# Allegro board RK3576_TEMPLATE_LP4XD200P132SD6_24X34_2133MHz_H1R6_V11_20240529YWQ.brd (continued)
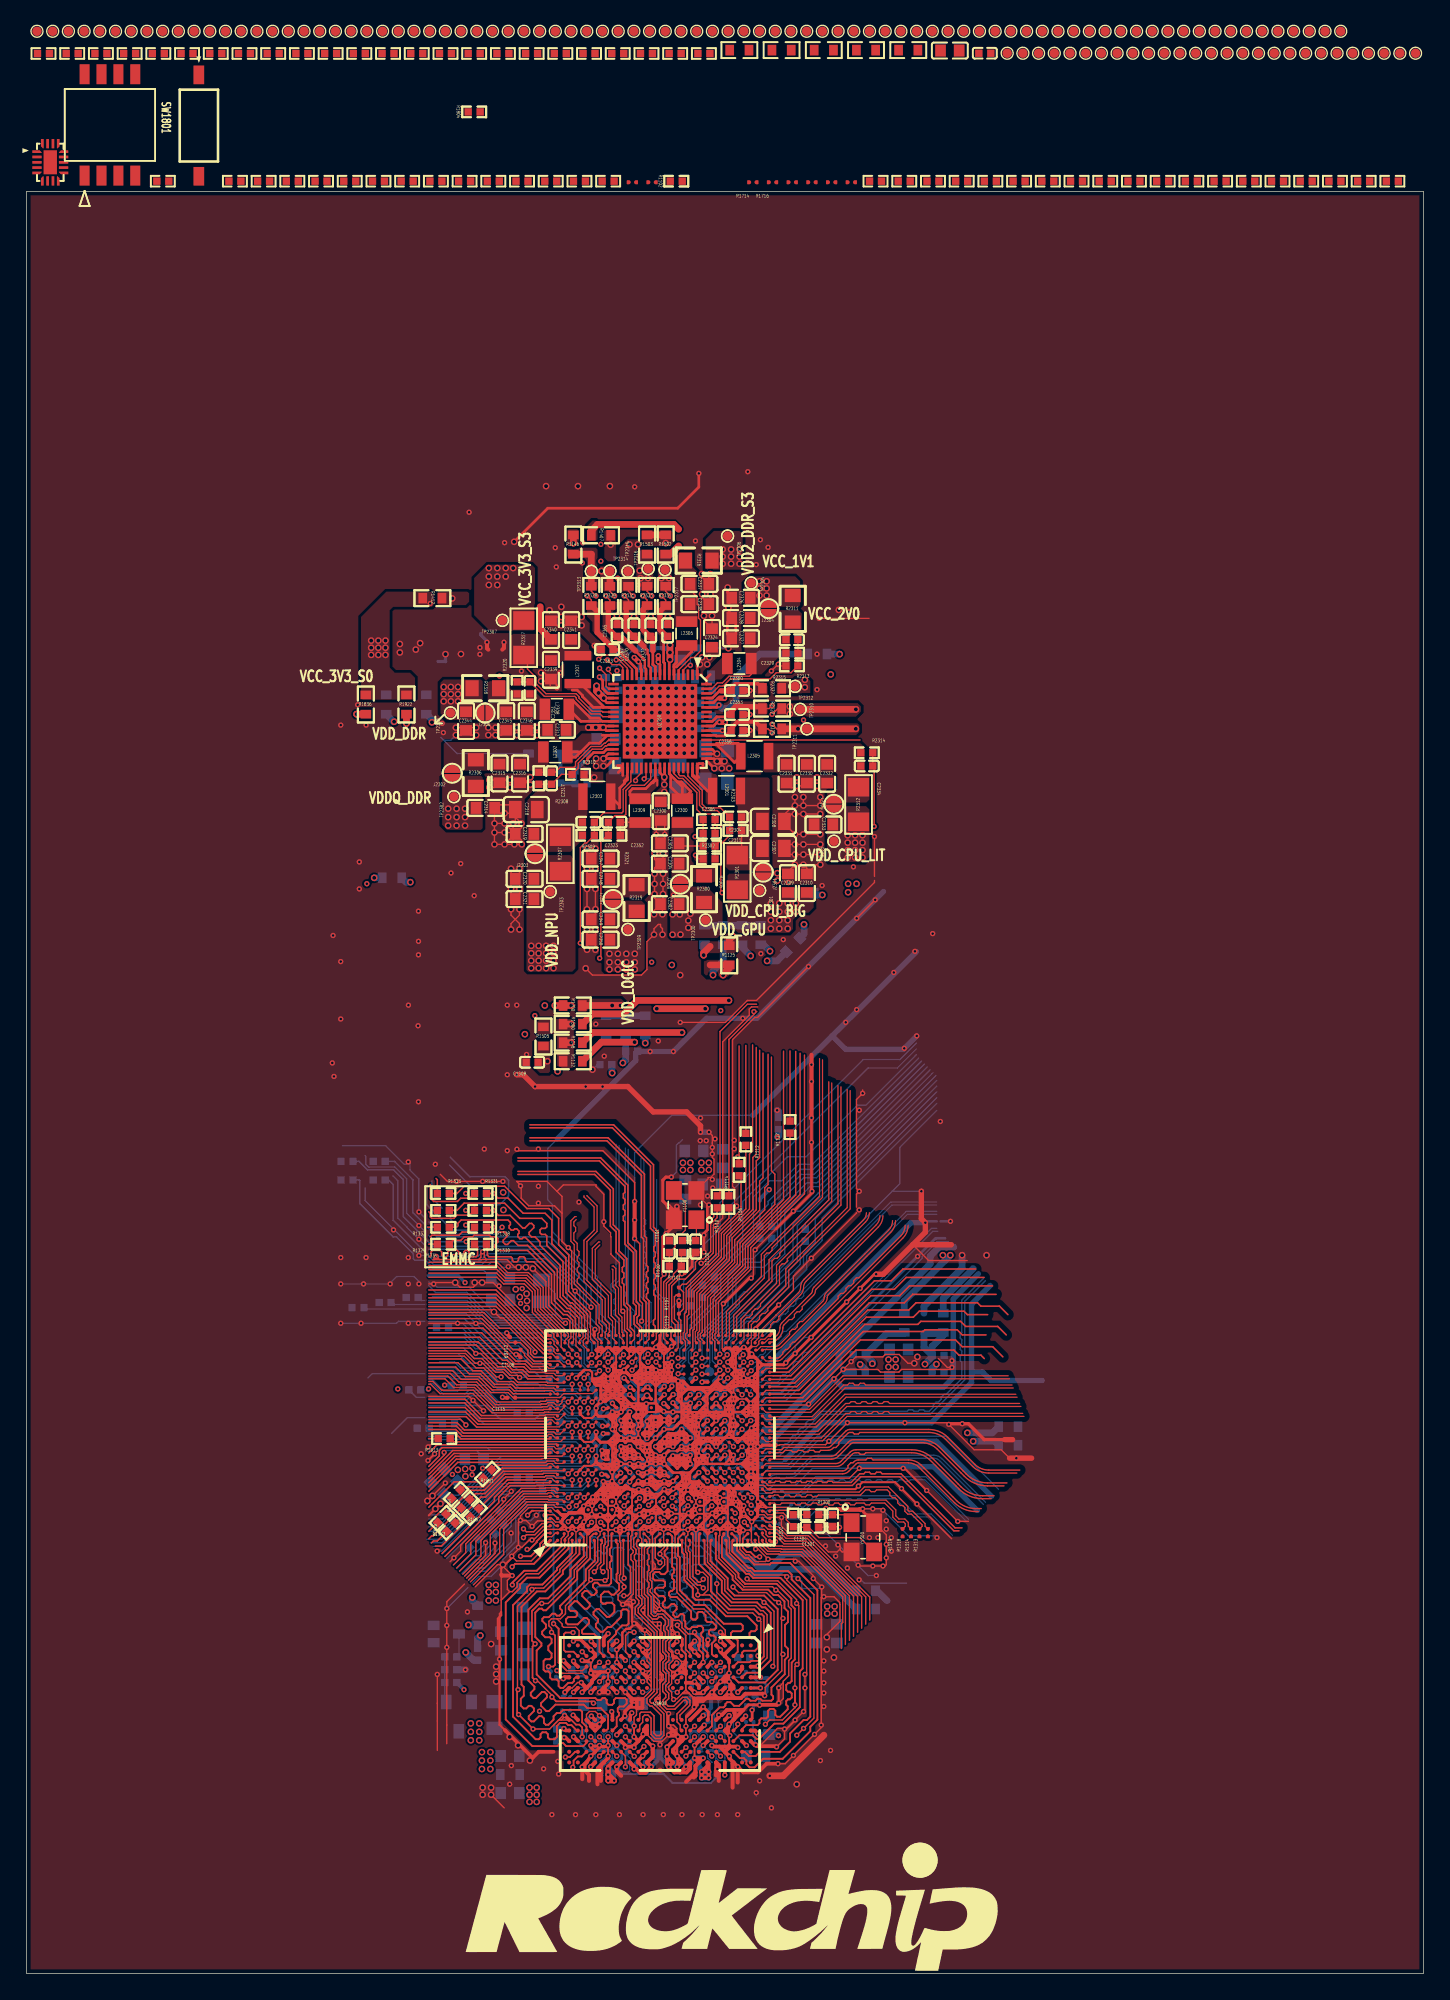
[diagram p0: board, top side]
## Routing (per net, layer and track width the routed paths; a pad name or vN(x,y) marks a point on that pad's centre or on a via; arc(x,y) is an arc through that point) (continued)
GPIO1_A7: length 13.3
  TOP w0.089: 40.85,48.3 40.93,48.22 40.93,47.77 40.76,47.6 40.76,47.13 U1000.1B24
  TOP w0.102: 40.85,48.3 40.85,49.03 40.66,49.22 40.26,49.22
  TOP w0.114: R1335.1 34.65,54.76 34.65,53.99 34.76,53.88 36.41,53.88 36.53,53.77 36.53,53.61 36.64,53.5 36.87,53.5 36.98,53.61 36.98,53.77 37.1,53.88 37.38,53.88 37.5,53.76 37.5,53.62 37.61,53.5 38.14,53.5 39.26,52.38 39.26,50.23 40.26,49.22
GPIO1_B0: length 28.8
  TOP w0.114: v1(43.73,45.36) U1000.1F22
  BOTTOM w0.114: R1336.1 27.67,61.05 29.05,59.67 29.05,57.19 30.87,55.37 39.41,55.37 42.93,51.85 42.93,49.28 43.94,48.26 43.94,46.99 44.15,46.78 44.15,45.79 v1(43.73,45.36)
GPIO1_B2: length 29.3
  TOP w0.114: U1000.1F23 v1(43.73,46.56)
  BOTTOM w0.114: R1338.1 25,61.05 25.63,60.41 27.6,60.41 28.32,59.69 28.32,56.9 30.56,54.65 39.2,54.65 42.08,51.77 42.08,49.58 43.69,47.97 43.69,46.6 v1(43.73,46.56)
GPIO1_C1_D: length 1.2
  TOP w0.114: U1000.1B22 v1(40.72,45.96)
  BOTTOM w0.114: v1(40.72,45.96) 40.38,45.96 R1813.1
GPIO1_C2_U: length 12.6
  TOP w0.102: 30.24,52.65 35.35,52.65 35.92,52.08 37.48,52.08 38.23,51.32 38.23,49.8 39.02,49.02 39.02,49.02 39.92,48.12 U1000.B29
GPIO1_C3_U: length 15.7
  TOP w0.102: U1000.1C23 v1(41.37,46.51)
  BOTTOM w0.102: v1(41.37,46.51) 41.37,46.58 39.25,48.71 34.73,48.71 33.15,50.29 30.24,50.29 ; R1815.1 27.56,50.29 29.94,50.29
GPIO1_C4_D: length 17.1
  TOP w0.102: U1000.1B23 v1(40.72,46.56)
  BOTTOM w0.102: v1(40.72,46.56) 39.5,47.79 39.5,48.14 39.14,48.5 34.65,48.5 33.19,49.96 30.24,49.96 ; R1816.1 25.47,49.96 29.94,49.96
GPIO1_C5_D: length 12.9
  TOP w0.102: 30.24,52.34 35.36,52.34 35.87,51.84 37.43,51.84 38.03,51.24 38.03,49.69 39.65,48.07 39.65,47.83 39.92,47.55 U1000.B28
GPIO1_C6_D: length 10.7
  TOP w0.102: U1000.A26 38.17,46.31 37.9,46.58 37.9,46.94 36.34,48.5 35.57,48.5 34.39,49.69 30.24,49.69
GPIO1_C7_D: length 11.4
  TOP w0.102: U1000.1C22 v1(41.37,45.91)
  BOTTOM w0.102: R1819.1 31.77,48.51 32.77,48.51 33.9,47.38 37.07,47.38 38.08,46.36 38.73,46.36 39.48,45.61 41.06,45.61 v1(41.37,45.91)
GPIO1_D0_D: length 13.4
  TOP w0.102: U1000.C29 40.41,48.02 40.41,48.2 39.88,48.73 39.88,48.73 38.64,49.97 38.64,51.49 37.65,52.48 36.08,52.48 35.36,53.21 30.24,53.21
GPIO1_D1_D: length 15.6
  TOP w0.102: v1(42.48,45.91) 42.48,45.91 U1000.1D22
  BOTTOM w0.102: 30.24,51.71 30.75,51.2 33.1,51.2 34.98,49.32 39.59,49.32 40.52,48.39 40.89,48.39 42.13,47.15 42.13,46.08 42.3,45.91 v1(42.48,45.91)
GPIO1_D2_D: length 14.2
  TOP w0.102: U1000.1A24 40.2,47.08 40.2,48.12 38.44,49.89 38.44,51.41 37.56,52.28 36,52.28 35.35,52.93 30.24,52.93
GPIO1_D3_D: length 14.4
  TOP w0.089: 40.64,48.26 40.64,48.17 40.74,48.07 40.74,47.85 40.48,47.58 U1000.C28
  TOP w0.102: 30.24,53.47 35.39,53.47 36.17,52.69 37.73,52.69 38.84,51.57 38.84,50.06 40.64,48.26
GPIO1_D4_D: length 16.6
  TOP w0.102: U1000.1E21 v1(43.08,45.31)
  BOTTOM w0.102: R1823.1 29.67,50.59 29.94,50.59 ; v1(43.08,45.31) 42.19,45.31 41.73,45.78 41.73,46.77 41.25,47.24 41.03,47.24 39.36,48.91 34.82,48.91 33.13,50.59 30.24,50.59
GPIO1_D5_D: length 15.9
  TOP w0.102: v1(43.08,45.91) 43.08,45.91 U1000.1E22
  BOTTOM w0.102: 30.51,50.9 33.12,50.9 34.9,49.11 39.48,49.11 40.71,47.88 41.02,47.88 41.93,46.97 41.93,45.86 42.21,45.58 42.75,45.58 43.08,45.91 v1(43.08,45.91)
GPIO2_B0_D: length 10.8
  TOP w0.089: U1000.B19 39.75,42.46 39.49,42.73 39.26,42.73 39.14,42.6
  TOP w0.102: 39.14,42.6 38.79,42.6 38.74,42.56 35.17,42.56 33.67,44.05 32.11,44.05 31.46,44.7 30.24,44.7
GPIO2_B1_D: length 11.5
  TOP w0.089: U1000.1A18 40.26,43.09 40.26,42.93 40.06,42.73 39.82,42.73 39.63,42.92 39.18,42.92 39.07,42.81
  TOP w0.102: 39.07,42.81 38.71,42.81 38.66,42.76 35.26,42.76 33.76,44.26 32.33,44.26 31.67,44.91 30.24,44.91
GPIO2_C3_D: length 7.4
  TOP w0.114: 32.21,40.65 32.66,40.19 39.31,40.19 U1000.A15
GPIO2_C4_D: length 8.8
  TOP w0.089: 38.81,39.97 38.83,39.99 40.16,39.99 U1000.1A13
  TOP w0.114: R1913.1 32.09,39.97 38.81,39.97
GPIO2_C5_D: length 1.8
  TOP w0.102: U1000.1C15 v1(41.33,41.16)
  BOTTOM w0.114: R1914.1 40.17,41.52 40.97,41.52 v1(41.33,41.16)
GPIO2_C6_D: length 10.6
  TOP w0.089: U1000.1A14 40.11,40.54 39.81,40.54 39.64,40.72 39.16,40.72 39.07,40.62
  TOP w0.114: 30.24,41.15 32.32,41.15 32.84,40.62 39.07,40.62
GPIO2_C7_D: length 10
  TOP w0.089: U1000.B15 39.75,40.26 39.49,40.53 39.25,40.53 39.14,40.41
  TOP w0.114: 39.14,40.41 32.75,40.41 32.26,40.89 30.24,40.89
GPIO2_D0_D: length 10
  TOP w0.089: 38.96,40.86 39.04,40.86 39.08,40.9 39.83,40.9 U1000.B16
  TOP w0.114: 30.24,41.4 32.37,41.4 32.91,40.86 38.96,40.86
GPIO2_D4_D: length 11.4
  TOP w0.102: U1000.1B13 v1(41.02,40.7)
  BOTTOM w0.102: R1920.1 30.49,40.77 32.38,40.77 32.51,40.64 40.97,40.64 v1(41.02,40.7)
GPIO2_D5_D: length 9.3
  TOP w0.102: U1000.1B15 v1(40.72,41.16)
  BOTTOM w0.102: R1921.1 32.6,40.89 40.46,40.89 v1(40.72,41.16)
GPIO2_D7_D: length 7.3
  BOTTOM w0.102: 30.24,43.11 33.1,43.11 33.42,43.43 34.46,43.43 35.5,42.4 36.65,42.4 R1949.2
GPIO3_A2_D: length 11.2
  TOP w0.089: 39.12,44.45 39.18,44.39 40.36,44.39 U1000.1A20
  TOP w0.102: 30.24,46.81 33.08,46.81 33.67,46.22 34.23,46.22 35.26,45.2 35.83,45.2 36.27,44.76 36.62,44.76 36.93,44.45 39.12,44.45
GPIO3_A4_D: length 12.6
  TOP w0.102: U1000.1D13 v1(42.23,40.7)
  BOTTOM w0.102: 30.24,40.56 32.08,40.56 32.28,40.37 40.79,40.37 40.79,40.36 41.89,40.36 v1(42.23,40.7)
GPIO3_A5_D: length 10.5
  TOP w0.114: 31.23,31.57 35.18,35.51 35.18,35.79 36.27,36.89 38.84,36.89 38.84,36.89 39.31,36.89 U1000.A9
GPIO3_A6_D: length 11.4
  TOP w0.089: 38.87,36.67 38.88,36.69 40.39,36.69 U1000.1A7
  TOP w0.114: 31.46,31.34 35.5,35.39 35.5,35.81 36.36,36.67 38.87,36.67
GPIO3_B0_D: length 10
  TOP w0.089: 38.85,39.74 38.91,39.8 39.83,39.8 U1000.B14
  TOP w0.114: 38.85,39.74 30.85,39.74 30.24,39.13
GPIO3_B3_D: length 7.5
  TOP w0.114: U1000.A11 39.31,37.99 35.78,37.99 34.36,36.58 32.83,36.58 R1928.1
GPIO3_B4_D: length 7.5
  TOP w0.089: 38.81,37.54 38.87,37.6 39.83,37.6 U1000.B10
  TOP w0.114: R1929.1 33.75,36.07 34.47,36.07 35.94,37.54 38.81,37.54
GPIO3_B5_D: length 10.3
  TOP w0.089: 38.7,37.76 38.73,37.79 40.36,37.79 U1000.1A9
  TOP w0.114: 38.7,37.76 35.85,37.76 34.41,36.32 33.33,36.32 R1930.1
GPIO3_B6_D: length 5.3
  TOP w0.089: U1000.B11 39.75,38.06 39.49,38.33 39.22,38.33 39.1,38.21
  TOP w0.114: 39.1,38.21 35.3,38.21 R1931.1
GPIO3_C2_D: length 7
  TOP w0.089: U1000.B9 39.75,36.96 39.49,37.23 39.13,37.23 39.01,37.1
  TOP w0.114: R1932.1 36.16,37.1 39.01,37.1
GPIO3_C3_D: length 9.8
  TOP w0.089: 38.94,37.32 39.04,37.42 39.64,37.42 39.81,37.24 40.41,37.24 U1000.1A8
  TOP w0.114: R1933.1 34.18,35.81 34.52,35.81 36.02,37.32 38.94,37.32
GPIO3_C5_D: length 11.9
  TOP w0.102: U1000.1B9 v1(40.72,37.56)
  BOTTOM w0.102: v1(40.72,37.56) 40.56,37.72 35.98,37.72 31.25,32.99
GPIO3_D4_D: length 13.1
  TOP w0.102: U1000.1E12 v1(42.53,39.36)
  BOTTOM w0.102: 30.24,40.36 32,40.36 32.19,40.16 41.72,40.16 v1(42.53,39.36)
GPIO3_D6_D: length 13.8
  TOP w0.102: v1(41.63,38.9) U1000.1C10
  BOTTOM w0.102: v1(41.63,38.9) 41.28,38.55 35.66,38.55 31.27,34.16 30.24,34.16
GPIO4_A2_D: length 7.5
  TOP w0.102: U1000.1D6 41.96,35.79 v1(41.93,35.77)
  BOTTOM w0.102: R1802.1 36,35.21 36.29,35.21 36.94,35.86 40.36,35.86 40.63,36.13 41.56,36.13 v1(41.93,35.77)
GPIO4_A3_D: length 7
  TOP w0.102: U1000.1C6 41.37,35.8 v1(41.37,35.8)
  BOTTOM w0.102: R1803.1 36.07,33.86 36.07,34.23 37.3,35.46 40.53,35.46 40.56,35.43 40.99,35.43 v1(41.37,35.8)
GPIO4_A4_D: length 12.1
  TOP w0.102: U1000.1C5 v1(41.33,35.17)
  BOTTOM w0.102: v1(41.33,35.17) 41.33,35.15 40.93,34.74 40.57,34.74 40.26,35.05 37.59,35.05 36.78,34.24 36.78,32.5 34.51,30.23 33.91,30.23 33.25,29.56
GPIO4_A5_D: length 8.5
  TOP w0.102: v1(40.72,35.76) U1000.1B6
  BOTTOM w0.102: R1806.1 34.13,32.67 37.12,35.66 40.63,35.66 v1(40.72,35.76)
GPIO4_A6_D: length 11.4
  TOP w0.102: v1(40.79,35.07) 40.79,35.22 U1000.1B5
  BOTTOM w0.102: v1(40.79,35.07) 40.62,35.07 40.44,35.26 37.48,35.26 36.43,34.21 36.43,33.62 35.81,33 35.81,32.24 34.43,30.86 33.91,30.86 32.93,29.88
GPIO4_A7_D: length 9.7
  TOP w0.102: U1000.A7 39.37,35.85 37.45,35.85 34.16,32.57 34.16,31.38 32.79,30.01
GPIO4_B3_D: length 11.1
  TOP w0.089: U1000.1A6 40.34,36.14 39.81,36.14 39.64,36.32 39.11,36.32 39.05,36.26
  TOP w0.102: 32.33,30.47 33.4,31.55 33.4,32.38 37.28,36.26 39.05,36.26
GPIO4_C0_D: length 12
  TOP w0.102: U1000.AK3 55.49,33.66 55.76,33.38 56.43,33.38 57.11,32.71 58.7,32.71 63.09,28.31 63.09,26.26
GPIO4_C2_D: length 11.3
  TOP w0.102: U1000.AL2 56.42,33.11 57.02,32.5 58.61,32.5 62.79,28.33 62.79,25.95
GPIO4_C3_D: length 12.7
  TOP w0.102: 62.48,25.65 62.48,28.35 58.53,32.3 56.94,32.3 56.41,32.83 55.76,32.83 55.6,33 55.6,33.22 55.44,33.38 55.1,33.38 U1000.1AE2
GPIO4_C4_D: length 11.5
  TOP w0.102: U1000.AL3 55.95,33.59 56.51,33.59 57.19,32.91 58.78,32.91 63.4,28.29 63.4,26.56
GPIO4_C5_D: length 11.7
  TOP w0.102: U1000.AK1 55.33,32.43 55.83,31.93 56.74,31.93 56.78,31.89 58.36,31.89 61.87,28.38 61.87,25.04
GPIO4_C6_D: length 12.6
  TOP w0.102: U1000.1AE1 55.05,32.83 55.05,32.42 55.74,31.73 56.66,31.73 56.7,31.69 58.28,31.69 61.57,28.4 61.57,24.73
GPIO4_C7_D: length 12.4
  TOP w0.102: U1000.AJ1 54.77,32.41 55.66,31.53 56.58,31.53 56.62,31.49 58.19,31.49 61.37,28.31 61.37,26.39 61.26,26.29 61.26,24.43
HDMI_TX/EDP_TX_AVDD1V8: length 54
  TOP w0.229: U1000.2N10 v1(51.85,42.86) U1000.2P10
  L4-SIG w0.089: 52.83,42.99 53.02,43.18 ; 52.82,42.99 52.63,43.18 ; 52.82,42.99 52.82,42.72 ; 53.02,43.18 52.63,43.18 ; 53.02,43.18 53.28,43.18 ; 52.03,42.86 52.04,42.86 52.37,43.18 ; 53.47,42.99 53.47,42.72 ; 53.47,42.99 53.28,43.18 ; 53.48,42.99 53.67,43.18 ; 53.47,42.72 53.28,42.53 ; 53.48,42.72 53.67,42.53 ; 52.63,42.53 52.82,42.72 ; 52.83,42.72 53.02,42.53 ; 52.37,43.18 51.94,43.18 51.85,43.09 v1(51.85,42.86) ; 52.37,43.18 52.63,43.18 ; 53.28,43.18 53.67,43.18 ; 53.93,43.18 53.67,43.18 ; 53.93,43.18 54.12,42.99 ; 53.93,43.18 54.32,43.18 ; 54.12,42.99 54.12,42.72 ; 54.13,42.99 54.32,43.18 ; 54.13,42.72 54.32,42.53 ; 54.12,42.72 53.93,42.53 ; 54.32,43.18 54.73,43.18 55.05,42.86
  L4-SIG w0.102: 52.36,42.53 52.03,42.86 v1(51.85,42.86) 51.85,42.63 51.95,42.53 52.36,42.53 ; 52.36,42.53 54.72,42.53 55.05,42.86
  L4-SIG w0.508: v2(54.45,76.5) 58.42,72.52 58.42,69.85 59.62,68.65 59.62,47.42 55.05,42.86
  BOTTOM w0.305: v1(51.85,42.86) 51.82,42.86 C1602.1 51.78,42.33 C1603.1 52.17,42.54 v1(51.85,42.86)
  BOTTOM w0.508: R1602.1 53.79,77.15 v2(54.45,76.5)
HDMI_TX_D0N: length 14.5
  TOP w0.089: U1000.AK27 55.37,46.9 56.25,46.9 arc(56.53,46.96) 56.77,47.12 60.02,50.37 arc(60.15,50.57) 60.2,50.8 arc(60.22,50.92) 60.29,51.03 63.18,53.92 64.97,55.71 arc(65.24,56.11) 65.34,56.59
HDMI_TX_D0P: length 14.9
  TOP w0.089: U1000.1AE24 54.95,46.86 55.21,47.13 56.25,47.13 arc(56.45,47.17) 56.61,47.28 57.37,48.03 57.37,48.22 57.57,48.42 57.76,48.42 57.95,48.62 57.95,48.81 58.15,49.01 58.34,49.01 59.86,50.52 arc(59.94,50.65) 59.97,50.8 arc(60.02,51.01) 60.14,51.19 63.02,54.07 64.81,55.86 arc(65.03,56.2) 65.11,56.59
HDMI_TX_D1N: length 13.3
  TOP w0.089: U1000.AL28 55.93,47.47 56.02,47.47 arc(56.21,47.51) 56.38,47.62 56.58,47.82 arc(56.79,48.13) 56.87,48.51 56.87,48.55 arc(56.89,48.67) 56.95,48.76 57.35,49.16 57.54,49.16 57.74,49.36 57.74,49.55 57.93,49.74 58.12,49.74 58.32,49.94 58.32,50.13 59.18,50.99 arc(59.27,51.13) 59.31,51.31 arc(59.32,51.38) 59.36,51.44 64.03,56.11 arc(64.3,56.5) 64.39,56.97
HDMI_TX_D1P: length 13.4
  TOP w0.089: U1000.AK28 55.5,47.41 55.78,47.69 56.02,47.69 arc(56.13,47.71) 56.22,47.78 56.42,47.97 arc(56.58,48.22) 56.64,48.51 56.64,48.55 arc(56.68,48.75) 56.8,48.92 59.02,51.14 arc(59.07,51.22) 59.09,51.31 arc(59.12,51.47) 59.21,51.6 63.87,56.27 arc(64.09,56.59) 64.17,56.97
HDMI_TX_D2N: length 12.7
  TOP w0.089: U1000.AK29 55.33,48.15 55.54,48.37 55.73,48.37 55.95,48.58 55.95,48.77 56.16,48.99 56.35,48.99 56.57,49.2 56.57,49.39 58.2,51.02 arc(58.36,51.27) 58.42,51.56 arc(58.47,51.82) 58.61,52.03 63.09,56.51 arc(63.3,56.82) 63.37,57.19
HDMI_TX_D2P: length 13.2
  TOP w0.089: U1000.AJ28 54.77,47.5 55.04,47.77 55.04,48.19 56.34,49.49 58.04,51.18 arc(58.16,51.36) 58.2,51.56 arc(58.26,51.9) 58.46,52.19 62.93,56.66 arc(63.09,56.91) 63.15,57.19
HDMI_TX_D3N: length 15.6
  TOP w0.089: U1000.AK26 55.59,46.04 56.42,46.04 arc(56.63,46.08) 56.8,46.2 65.88,55.28 arc(66.18,55.72) 66.28,56.25
HDMI_TX_D3P: length 15
  TOP w0.089: U1000.AL26 55.92,46.26 56.42,46.26 arc(56.54,46.29) 56.64,46.36 56.86,46.57 56.86,46.7 57.07,46.91 57.2,46.91 57.41,47.13 57.41,47.25 57.63,47.47 57.76,47.47 61.02,50.73 61.02,50.92 61.22,51.12 61.41,51.12 61.61,51.32 61.61,51.51 61.8,51.71 61.99,51.71 62.19,51.9 62.19,52.09 62.39,52.29 62.58,52.29 65.72,55.44 arc(65.97,55.81) 66.06,56.25
HDMI_TX_HPDIN_M0: length 12.1
  TOP w0.102: 62.18,25.34 62.18,28.36 58.44,32.1 56.86,32.1 56.83,32.13 55.91,32.13 55.6,32.45 55.6,32.67 55.33,32.95 U1000.AK2
HDMI_TX_REXT/EDP_TX_REXT: length 1
  TOP w0.102: U1000.1AA20 v1(52.72,44.76)
  BOTTOM w0.089: R1600.1 53.18,44.76 v1(52.72,44.76)
HDMI_TX_SBDN: length 19.8
  TOP w0.089: U1000.2U12 v1(54.45,43.51)
  BOTTOM w0.089: v1(54.45,43.51) 54.45,43.84 54.83,44.23 56.57,44.23 68.13,55.79 68.53,55.79
HDMI_TX_SBDP: length 20.8
  TOP w0.089: U1000.2T12 v1(53.8,43.51)
  BOTTOM w0.089: 68.44,56.02 68.04,56.02 58.72,46.7 58.53,46.7 58.33,46.5 58.33,46.31 58.02,46 57.83,46 57.63,45.8 57.63,45.61 57.06,45.04 56.87,45.04 56.67,44.84 56.67,44.65 56.48,44.45 55.77,44.45 55.64,44.58 55.36,44.58 55.22,44.45 54.74,44.45 54.47,44.18 54.28,44.18 54.08,43.98 54.08,43.79 v1(53.8,43.51)
I2C0_SCL_M1_TP: length 23.9
  TOP w0.089: U1000.AB28 50.92,47.5 50.66,47.77 50.66,48.07 50.8,48.21 50.8,48.31
  TOP w0.102: 50.8,48.31 50.8,51 53.24,53.45 53.24,55.15 55.5,57.4 55.5,59.05 55.75,59.31 55.75,69.1
I2C0_SDA_M1_TP: length 24.4
  TOP w0.089: 50.6,48.29 50.47,48.16 50.47,47.69 50.64,47.52 50.64,46.88 U1000.1V24
  TOP w0.102: 55.37,69.19 55.37,59.82 55.12,59.56 55.12,57.38 53.04,55.3 53.04,53.53 50.6,51.09 50.6,48.29
I2C1_SCL_M0_RK806: length 27.1
  TOP w0.102: U2300.17 44.82,98.18 44.61,98.4 44.03,98.4 v1(43.67,98.76)
  BOTTOM w0.102: 66.91,69.08 63.11,65.28 62.48,65.28 58.61,61.4 57.21,61.4 53.85,58.04 53.85,55.27 50.82,52.24 R1122.2
I2C1_SDA_M0_RK806: length 30.2
  TOP w0.102: v1(43.02,98.8) 43.32,99.11 44.48,99.11 45.52,98.06 U2300.15
  BOTTOM w0.102: 66.91,69.51 65.47,68.07 63.26,68.07 52.96,57.77 52.96,55.12 49.93,52.09 R1123.2
I2C3_SCL_M0_AUDIO: length 10.6
  TOP w0.089: 39.13,35.21 39.13,35.22 39.64,35.22 39.81,35.04 40.24,35.04 U1000.1A4
  TOP w0.102: 39.13,35.21 38.96,35.21 38.95,35.22 37.68,35.22 35.87,33.42 35.87,31.49 33.59,29.21
I2C3_SDA_M0_AUDIO: length 10.7
  TOP w0.089: U1000.B8 39.83,36.5 39.02,36.5 38.98,36.46
  TOP w0.102: 38.98,36.46 37.2,36.46 33.02,32.29 33.02,31.63 32.09,30.71
I2C4_SCL_M3_MIPI_CSI0: length 14.8
  TOP w0.102: U1000.1E9 v1(42.53,37.56)
  BOTTOM w0.102: 30.24,33.58 31.27,33.58 35.82,38.14 41.94,38.14 v1(42.53,37.56)
I2C4_SDA_M3_MIPI_CSI0: length 12.4
  TOP w0.102: U1000.1D12 v1(41.93,39.36)
  BOTTOM w0.102: v1(41.93,39.36) 41.53,39.75 41.53,39.75 41.32,39.96 31.88,39.96 31.71,40.13 30.24,40.13
I2C5_SCL_M3_MIPI_CSI1: length 14.2
  TOP w0.102: U1000.1D9 v1(41.93,37.56)
  BOTTOM w0.102: v1(41.93,37.56) 41.56,37.92 35.89,37.92 31.22,33.25 30.24,33.25
I2C5_SDA_M3_MIPI_CSI1: length 13.1
  TOP w0.102: U1000.1B10 v1(41.02,38.9)
  BOTTOM w0.102: v1(41.02,38.9) 40.99,38.86 35.68,38.86 31.29,34.47 30.24,34.47
I2C7_SCL_M1_SENSOR: length 14.7
  TOP w0.102: U1000.1D16 v1(42.23,42.5)
  BOTTOM w0.102: 29.94,43.31 29.3,43.31 R1916.2 ; v1(42.23,42.5) 41.87,42.14 40.79,42.14 40.32,42.61 35.58,42.61 34.55,43.64 33.34,43.64 33.02,43.31 30.24,43.31
I2C7_SDA_M1_SENSOR: length 12
  TOP w0.102: U1000.1B18 v1(40.72,42.96)
  BOTTOM w0.102: v1(40.72,42.96) 40.67,43.01 36.62,43.01 35.94,43.69 35.18,43.69 34.65,44.22 R1917.2 32.41,43.79 31.37,43.79 30.54,44.62 30.24,44.62
I2C8_SCL_M2_MIPI_CSI3: length 10
  TOP w0.102: U1000.A21 39.35,43.58 36.58,43.58 36.29,43.87 35.01,43.87 34.01,44.86 32.99,44.86 32.26,45.59 30.24,45.59
I2C8_SDA_M2_MIPI_CSI3: length 10.7
  TOP w0.089: U1000.B21 39.75,43.56 39.49,43.83 38.97,43.83 38.95,43.8
  TOP w0.102: 30.24,45.91 32.45,45.91 33.29,45.07 34.11,45.07 35.11,44.07 36.38,44.07 36.65,43.8 38.95,43.8
I2C_MODE_SEL: length 4.3
  TOP w0.102: U2300.18 44.12,97.55 43.74,97.93 v1(43.74,98.04)
  BOTTOM w0.102: v1(43.74,98.04) 44,98.3 44.37,98.3 45.71,99.63 R2324.2
LCD_BL_PWM1_CH1_M0: length 23.8
  TOP w0.102: 58.49,69.04 58.49,58.61 54.45,54.57 54.45,52.93 52.02,50.51 U1000.AD29
LCD_PWREN_H: length 29.4
  TOP w0.102: U1000.1Y21 v1(52.12,45.36)
  BOTTOM w0.102: v1(52.12,45.36) 52.12,45.49 51.57,46.05 51.57,47.59 57.62,53.65 57.62,56.33 68.44,67.14
LPDDR4_A0_A: length 15.3
  TOP w0.114: U1000.T1 v1(47.62,32.2) ; U3800.H2 49.9,24.01 49.57,24.35 49.57,25.41 48.92,26.05 v1(48.92,26.18)
  BOTTOM w0.114: v1(48.92,26.18) 49.03,26.18 49.28,26.43 49.28,27 49.39,27.12 49.54,27.12 49.66,27.23 49.66,27.46 49.54,27.57 49.39,27.57 49.28,27.69 49.28,27.92 49.39,28.03 49.54,28.03 49.66,28.14 49.66,28.37 49.54,28.49 49.39,28.49 49.28,28.6 49.28,28.83 49.39,28.94 49.54,28.94 49.66,29.06 49.66,29.29 49.54,29.4 49.39,29.4 49.28,29.52 49.28,29.74 49.39,29.86 49.54,29.86 49.66,29.97 49.66,30.2 49.54,30.32 49.39,30.32 49.28,30.43 49.28,30.66 49.39,30.77 49.67,30.77 49.78,30.89 49.78,31.13 49.67,31.24 49.4,31.24 49.29,31.36 49.29,31.63 49.38,31.73 49.38,31.89 49.14,32.13 48.92,32.13 48.8,32.01 48.64,32.01 48.47,32.17 48.47,32.34 48.69,32.56 48.69,32.72 48.39,33.02 48.01,33.02 47.62,32.64 v1(47.62,32.2)
LPDDR4_A0_B: length 16.3
  TOP w0.114: U3800.R2 45.04,24.17 45.04,25.41 45.28,25.65 v1(45.67,25.65) ; U1000.L1 44.87,32.56 44.87,29.78 v1(44.93,29.72)
  BOTTOM w0.114: v1(45.67,25.65) 45.27,26.05 45.27,28.09 45.47,28.29 45.47,30.1 44.9,30.67 44.9,31.89 44.78,32 44.2,32 44.07,31.88 44.07,29.72 44.43,29.35 44.6,29.35 44.87,29.63 44.87,29.66 v1(44.93,29.72)
LPDDR4_A1_A: length 16.5
  TOP w0.114: U1000.1N1 47.27,32.7 47.27,31.23 v1(47.62,30.88) ; U3800.J2 v1(48.92,24.19)
  BOTTOM w0.114: v1(47.62,30.88) 47.62,31.03 48.22,31.62 48.78,31.62 48.91,31.5 48.91,31.36 48.79,31.24 48.51,31.24 48.39,31.12 48.39,30.91 48.5,30.8 48.78,30.8 48.9,30.69 48.9,30.46 48.78,30.34 48.5,30.34 48.39,30.23 48.39,30 48.5,29.89 48.78,29.89 48.9,29.78 48.9,29.55 48.78,29.43 48.5,29.43 48.39,29.32 48.39,29.09 48.5,28.98 48.78,28.98 48.9,28.86 48.9,28.63 48.78,28.52 48.5,28.52 48.39,28.4 48.39,28.18 48.5,28.06 48.78,28.06 48.9,27.95 48.9,27.72 48.78,27.6 48.5,27.6 48.39,27.49 48.39,27.26 48.5,27.15 48.78,27.15 48.9,27.03 48.9,26.81 48.76,26.68 48.5,26.68 48.39,26.56 48.39,24.45 48.66,24.19 v1(48.92,24.19)
LPDDR4_A1_B: length 17.1
  TOP w0.114: v1(44.91,28.4) 45.19,28.4 45.4,28.61 45.4,30.54 45.23,30.71 45.23,33.05 U1000.1J1 ; U3800.P2 v1(45.68,24.19)
  BOTTOM w0.114: v1(44.91,28.4) 44.5,28.4 44.32,28.58 44.32,28.83 44.07,29.08 42.98,29.08 42.87,28.97 42.87,28.43 42.98,28.31 43.95,28.31 44.07,28.2 44.07,27.97 43.95,27.86 43.29,27.86 43.18,27.74 43.18,27.56 43.88,26.86 44.04,26.86 44.45,27.27 44.61,27.27 44.77,27.11 44.77,26.95 44.36,26.54 44.36,26.38 45.21,25.53 45.21,24.65 v1(45.68,24.19)
LPDDR4_A2_A: length 17.1
  TOP w0.114: U1000.1R3 48.57,34 v1(48.57,34) ; U3800.H9 v1(50.22,18.59)
  L4-SIG w0.091: v1(50.22,18.59) 49.27,19.54 49.27,26.42 48.72,26.97 48.72,32.97 48.88,33.13 48.88,33.7 v1(48.57,34)
LPDDR4_A2_B: length 18.5
  TOP w0.114: v1(45.03,18.59) U3800.R9 ; U1000.1J3 v1(44.93,33.96)
  L4-SIG w0.091: v1(44.93,33.96) 44.93,33.85 45.28,33.5 45.28,33.21 45.97,32.51 45.97,29.21 46.74,28.45 46.74,26.04 46.83,25.95 46.83,25.95 46.92,25.85 46.92,20.96 46.35,20.4 46.35,19.05 46.25,18.95 45.12,18.95 45.03,18.85 v1(45.03,18.59)
LPDDR4_A3_A: length 19.5
  TOP w0.114: U1000.1T2 v1(49.72,33.96) ; U3800.H10 v1(50.22,17.79)
  L4-SIG w0.091: v1(49.72,33.96) 49.37,33.61 49.37,33.06 49.12,32.81 49.12,27.21 49.67,26.65 49.67,20.91 50,20.59 51.04,20.59 51.32,20.3 51.32,18.51 51.11,18.29 50.92,18.29 50.41,17.79 v1(50.22,17.79)
LPDDR4_A3_B: length 19.4
  TOP w0.114: v1(44.33,33.96) 44.28,33.91 U1000.1G2 ; v1(45.03,17.79) U3800.R10
  L4-SIG w0.089: 46,25.93 46,21.08
  L4-SIG w0.091: 46,21.08 46,20.73 45.85,20.57 45.09,20.57 44.58,20.07 44.58,18.29 45.03,17.84 v1(45.03,17.79) ; v1(44.33,33.96) 44.28,33.91 44.28,33.81 43.98,33.5 43.98,33.25 44.83,32.39 44.83,30.99 45.28,30.54 45.28,27.75 46.23,26.8 46.23,26.16 46,25.93
LPDDR4_A4_A: length 21
  TOP w0.114: U1000.1M5 46.77,35.21 v1(46.77,35.21) ; U3800.H11 v1(49.58,16.34)
  L4-SIG w0.091: v1(49.58,16.34) 48.86,17.05 48.66,17.05 47.93,17.78 47.93,29.8 47.12,30.61 47.12,34.86 v1(46.77,35.21)
LPDDR4_A4_B: length 22.9
  TOP w0.114: U1000.1F4 43.17,35.11 v1(43.17,35.11) ; U3800.R11 v1(45.69,16.32)
  L4-SIG w0.089: 44.92,16.64 44.89,16.66 44.89,16.66 44.7,16.85 44.7,17.4 44.58,17.53 44.33,17.53 44.05,17.8 44.05,18.07 44.05,18.07 44.05,18.16 ; 44.65,20.96 44.7,21 44.7,21.53 44.79,21.61 45.16,21.61 45.35,21.8 45.35,24.16 45.09,24.43
  L4-SIG w0.091: v1(43.17,35.11) 43.17,35.11 43.81,34.47 43.81,33.79 43.69,33.66 43.69,33.02 44.45,32.26 44.45,27.63 45.09,26.99 45.09,24.43 ; 44.92,16.64 45.37,16.64 v1(45.69,16.32) ; 44.65,20.96 43.62,19.92 43.62,19.37 44.05,18.94 44.05,18.16
LPDDR4_A5_A: length 20.3
  TOP w0.114: U3800.J11 v1(49.57,16.99) ; U1000.1P5 v1(47.92,35.16)
  L4-SIG w0.091: v1(47.92,35.16) 47.5,34.73 47.5,33.15 48.32,32.32 48.32,20.24 48.62,19.94 48.62,17.65 48.87,17.4 49.16,17.4 v1(49.57,16.99)
LPDDR4_A5_B: length 20.9
  TOP w0.114: v1(46.42,17.06) 46.4,17.06 U3800.P11 ; v1(46.09,35.72) 46.09,35.72 45.83,35.46 U1000.1K5
  L4-SIG w0.089: v1(46.09,35.72) 46.09,35.72 45.72,35.35 45.72,33.66 46.48,32.89 46.48,32.51
  L4-SIG w0.091: 46.48,32.51 46.48,29.46 47.23,28.71 47.23,26.13 47.38,25.98 47.38,20.87 47.13,20.62 47.13,18.56 46.74,18.16 46.74,17.38 v1(46.42,17.06)
LPDDR4_CKE0_A: length 16.8
  TOP w0.089: U3800.J4 v1(48.92,21.93) ; U1000.1N3 v1(47.89,33.99)
  BOTTOM w0.089: v1(48.92,21.93) 48.84,21.93 48.12,22.65 48.12,22.83 48.01,22.94 48.01,23.28 48.12,23.39 48.33,23.39 48.45,23.51 48.45,23.73 48.33,23.85 48.12,23.85 48.01,23.96 48.01,27.7 47.9,27.81 47.56,27.81 47.44,27.93 47.44,28.2 47.56,28.31 47.89,28.31 48.01,28.42 48.01,28.65 47.89,28.77 47.56,28.77 47.44,28.88 47.44,29.11 47.56,29.22 47.89,29.22 48.01,29.34 48.01,29.57 47.89,29.68 47.56,29.68 47.12,30.12 47.12,32.64 47.5,33.02 47.5,33.99 47.59,34.08 47.8,34.08 v1(47.89,33.99)
LPDDR4_CKE0_B: length 16.6
  TOP w0.089: U1000.1K2 v1(46.12,33.96) ; U3800.P4 v1(46.33,21.94)
  BOTTOM w0.089: v1(46.33,21.94) 46.91,22.52 46.91,22.92 46.82,23.01 46.82,24.05 46.65,24.22 46.65,24.42 46.82,24.59 46.82,25.35 46.7,25.47 46.34,25.47 46.1,25.71 46.1,26.04 46.3,26.24 46.3,26.64 46.19,26.76 46.06,26.76 45.97,26.67 45.85,26.67 45.72,26.8 45.72,27.43 45.97,27.69 46.22,27.69 46.34,27.8 46.34,28.29 46.22,28.41 45.94,28.41 45.85,28.5 45.85,28.77 45.94,28.86 46.22,28.86 46.34,28.98 46.34,29.3 46.21,29.42 45.94,29.42 45.85,29.51 45.85,30.22 45.27,30.8 45.27,31.79 45.97,32.5 45.97,33.81 v1(46.12,33.96)
LPDDR4_CKE1_A: length 18.3
  TOP w0.089: U1000.1N5 47.88,35.71 v1(47.88,35.72) ; U3800.J5 v1(48.92,21.13)
  BOTTOM w0.089: v1(48.92,21.13) 48.85,21.21 48.51,21.21 48.01,21.71 48.01,22.1 47.64,22.46 47.64,25.73 47.07,26.3 47.07,26.58 47.16,26.67 47.43,26.67 47.52,26.76 47.52,26.93 47.4,27.05 47.19,27.05 47.07,27.16 47.07,29.6 46.73,29.94 46.73,32.76 47.24,33.27 47.24,34.37 47.33,34.46 47.54,34.46 47.62,34.55 47.62,34.73 47.54,34.82 47.33,34.82 47.24,34.9 47.24,35.18 47.78,35.71 47.87,35.71 v1(47.88,35.72)
LPDDR4_CKE1_B: length 17
  TOP w0.089: v1(46.77,34) 46.77,34 U1000.1M3 ; U3800.P5 v1(46.33,21.14)
  BOTTOM w0.089: v1(46.77,34) 46.77,34 46.37,33.6 46.37,32.08 46.25,31.97 45.96,31.97 45.85,31.85 45.85,31.62 45.96,31.51 46.25,31.51 46.37,31.4 46.37,31.17 46.25,31.05 45.96,31.05 45.85,30.94 45.85,30.71 45.96,30.6 46.25,30.6 46.37,30.48 46.37,29.79 46.73,29.42 46.73,26.15 47.25,25.63 47.25,22.29 47.62,21.92 47.62,21.48 47.51,21.37 46.87,21.37 46.64,21.14 v1(46.33,21.14)
LPDDR4_CLKN_A: length 19.4
  TOP w0.107: U1000.P1 46.63,32.45 46.63,32.15 46.46,31.98 46.46,28.51 46.74,28.23 46.74,26.95 47.06,26.63 47.4,26.63 47.56,26.8 47.74,26.8 48.04,26.5 48.04,26.26 47.9,26.12 47.9,25.79 48.04,25.65 48.04,25.24 47.83,25.04 47.83,24.18 48.07,23.94 48.07,23.62 47.85,23.4 47.85,22.76 48.07,22.54 48.07,21.97 47.83,21.73 47.83,21.19 48.06,20.97 48.06,20.75 47.87,20.56 47.87,20.15 48.15,19.87 48.75,19.87 49.42,20.53 49.55,20.53 49.66,20.43 49.66,20.26 48.9,19.51 48.9,19.09 48.9,19.09 48.9,18.91 49.15,18.67 49.15,18.36 U3800.J9
LPDDR4_CLKN_B: length 20.7
  TOP w0.107: U1000.N1 45.87,32.45 45.87,32.13 46.04,31.96 46.04,28.34 46.26,28.13 46.26,27.72 45.99,27.45 45.99,27.12 47.41,25.7 47.41,21.12 46.87,20.58 46.87,20.43 46.98,20.32 47.12,20.32 47.92,19.52 47.92,17.89 47.68,17.66 47.27,17.66 46.95,17.97 46.95,19.19 46.73,19.42 46.47,19.42 46.32,19.27 46.32,18.89 46.1,18.66 46.1,18.36 U3800.P9
LPDDR4_CLKP_A: length 19.4
  TOP w0.107: U3800.J8 49.13,19.18 49.13,19.42 49.88,20.17 49.88,20.52 49.64,20.76 49.32,20.76 48.65,20.09 48.25,20.09 48.09,20.24 48.09,20.47 48.28,20.66 48.28,21.06 48.06,21.29 48.06,21.64 48.3,21.88 48.3,22.63 48.07,22.86 48.07,23.3 48.3,23.53 48.3,24.03 48.06,24.27 48.06,24.94 48.26,25.15 48.26,25.75 48.13,25.88 48.13,26.03 48.26,26.16 48.26,26.6 47.84,27.02 47.47,27.02 47.3,26.86 47.15,26.86 46.96,27.05 46.96,28.32 46.68,28.6 46.68,28.94 46.8,29.06 46.8,29.36 46.68,29.48 46.68,30.2 46.8,30.31 46.8,30.62 46.68,30.74 46.68,31.04 46.8,31.16 46.8,31.46 46.68,31.58 46.68,31.88 46.85,32.06 46.85,32.63 U1000.1L1